# Altium PCB SLIU_648352_008.PcbDoc (part 2 of 4)
Units mm, origin at the board's own origin, x right, y up, seen from the top; angles counter-clockwise.
Board outline 200 x 140 mm, 5 copper layers (Top Layer, gnd, Case, PITANIE, Bottom Layer), stack 2.01 mm thick; 379 components, 284 nets, 1711 pads, 392 vias.
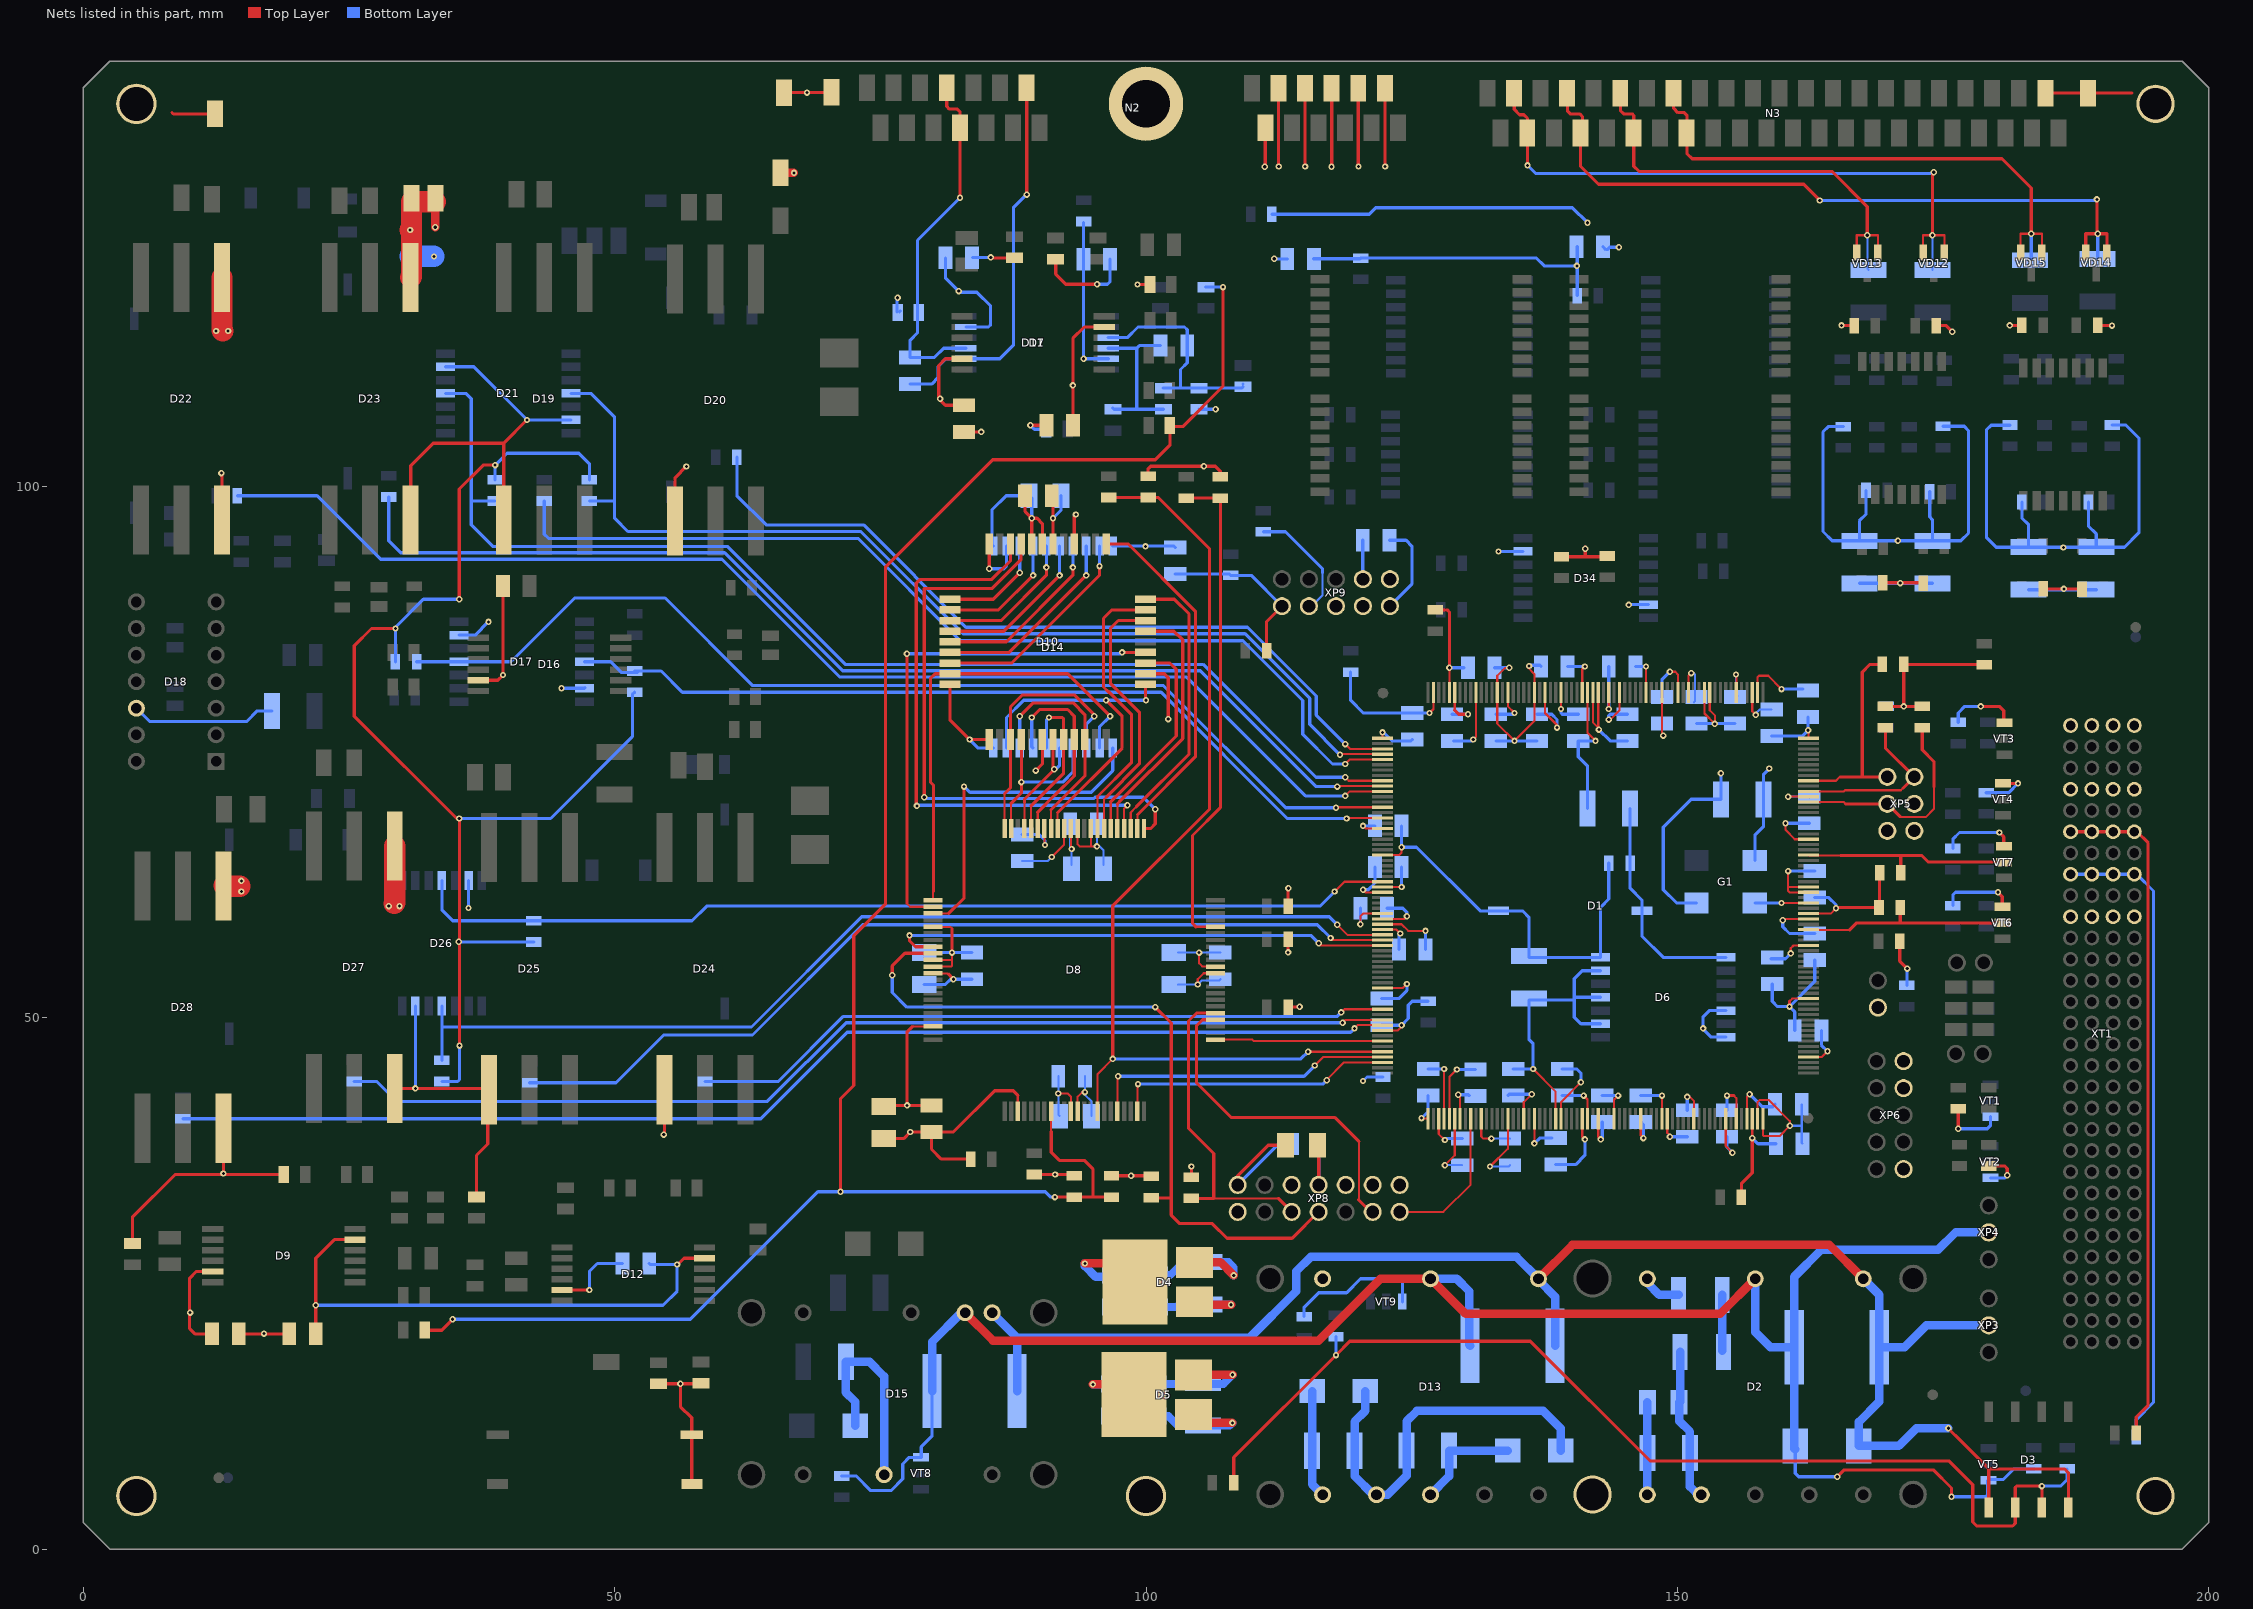
[diagram p5: the nets of this part, all layers, seen from the top]

## Via types
v1: diameter 0.6, hole 0.3, Top Layer to Bottom Layer, 392 vias

## Nets (pads, with @x,y where several pads share a name; then routed paths per layer and width w, separated by ;. In a path a pad name is that pad's centre, name@x,y a point inside that pad or via, vN(x,y) a via of type N, cw(c..) or ccw(c..) an arc to the next point about the centre after c; other vN are vias at no path point)
+1V8: C12.plus C25.2 C26.2 C27.2 C28.2 C29.2 C30.2 C31.2 C32.2 C33.2 C34.2 C35.2 C36.2 C37.2 C38.2 C39.2 C40.2 C56.2 C57.2 C58.2 C59.2 C60.2 C61.2 D1.30 D1.66 D1.67 D1.70 D1.79 D1.92 D1.94 D1.106 D1.113 D1.123 D1.127 D1.163 D1.165 D1.193 D1.195 D1.199 D1.203 D1.211 D1.223 D1.243 D1.251 D1.253 D5.1 R205.2 | length 116.2
  Top Layer w0.2: D1.165@122.25,58.3 123.548,58.3 v1(123.924,57.925) ; D1.163@122.25,59.3 124.299,59.3 v1(124.549,59.55) ; v1@125.975,40.5 D1.193@126.55,40.5 ; v1(126.675,78.675) 127.05,79.05 D1.127@127.05,80.6 ; D1.195@127.55,40.5 127.55,39.05 128.1,38.5 v1(128.125,38.5) ; 129.05,78.925 D1.123@129.05,80.6 ; v1(129.375,42.75) 129.55,42.575 D1.199@129.55,40.5 ; D1.203@131.55,40.5 131.55,38.825 131.75,38.625 v1(132.5,38.625) ; D1.113@134.05,80.6 134.05,79.3 v1(134.675,78.675) ; D1.211@135.55,40.5 135.55,42.05 v1(136.3,42.8) ; D1.106@137.55,80.6 137.55,78.675 138.675,77.55 v1(138.675,77.3) ; v1(141.175,42.675) 141.55,42.3 D1.223@141.55,40.5 ; v1@143.55,79.051 v1(143.549,79.05) 143.549,80.599 D1.94@143.55,80.6 ; v1@143.675,78.05 144.55,78.925 D1.92@144.55,80.6 ; v1(150.925,42.55) 151.175,42.55 151.55,42.175 D1.243@151.55,40.5 ; D1.79@151.05,80.6 151.05,82.175 v1(151.3,82.425) ; 155.3,42.675 155.55,42.425 D1.251@155.55,40.5 ; v1(155.512,82.3) 155.55,82.263 D1.70@155.55,80.6 ; D1.253@156.55,40.5 156.55,42.55 v1(156.8,42.8) ; D1.67@157.05,80.6 157.05,78.825 v1(157.375,78.5) ; D1.66@157.55,80.6 157.55,82.05 157.675,82.175 158.55,82.175 v1(159.8,80.925) ; v1(159.925,59.175) 160.05,59.3 D1.30@162.35,59.3
  Top Layer w0.3: 129.05,78.925 129.424,78.551 v1(130.301,78.551) ; v1(154.675,42.675) 155.3,42.675
  Top Layer w0.5: D5.1@97.9,15.5 D5.1@98.875,14.525
  Top Layer w0.8: v1(95,15.5) D5.1@97.9,15.5
  Bottom Layer w0.2: v1(128.125,38.5) v1@128.25,38.625 ; v1(132.5,38.625) C36.2@134.25,38.625 ; v1(151.3,82.425) 151.55,82.425 151.675,82.3 151.675,79.8 C27.2@151.55,79.675 ; v1(155.512,82.3) 155.512,80.388 155.637,80.263 C26.2@155.55,80.175 ; v1(157.375,78.5) 157.375,78.625 157.75,79 C57.2@158.875,79
  Bottom Layer w0.3: R205.2@119.25,82.525 119.25,79.875 120.45,78.675 v1(126.675,78.675) ; C33.2@122.675,60.3 124.175,60.3 124.549,59.926 v1(124.549,59.55) ; C34.2@123.8,56.425 123.8,57.801 v1(123.924,57.925) ; v1@125.975,40.5 v1(125.925,40.55) 126.55,41.175 C59.2@126.55,42.675 ; v1@128.25,38.625 C60.2@129.75,38.625 ; C32.2@128.8,78.55 v1@130.425,78.55 ; v1(129.375,42.75) 130.35,42.75 C35.2@130.425,42.675 ; v1(130.301,78.551) v1@130.424,78.551 ; C31.2@132.925,78.55 134.55,78.55 v1(134.675,78.675) ; C37.2@134.05,42.675 134.175,42.8 v1(136.3,42.8) ; C30.2@136.8,78.55 138.185,78.55 138.675,78.06 v1(138.675,77.3) ; C38.2@139.175,42.675 v1(141.175,42.675) ; v1@143.55,79.051 C29.2@143.55,83.05 ; v1@143.675,78.05 v1(143.55,78.05) 143.55,78.425 143.675,78.55 C28.2@145.3,78.55 ; C39.2@150.925,41.3 v1(150.925,42.55) ; C40.2@154.675,41.3 v1(154.675,42.675) ; v1(156.8,42.8) 157.975,41.625 158.975,41.625 C61.2@159.2,41.85 ; v1(159.8,80.925) C56.2@161.8,80.925 ; v1(159.925,59.175) 159.925,58.55 160.55,57.925 C25.2@162.925,57.925
  Bottom Layer w0.75: v1(95,15.5) C12.plus@96.875,15.5
+3V3: C9.plus C13.1 C15.2 C16.plus C17.2 C22.2 C23.plus C41.2 C42.2 C43.2 C44.2 C45.2 C46.2 C47.2 C48.2 C49.2 C50.2 C51.2 C52.2 C53.2 C54.2 C55.2 C62.1 C70.2 C72.2 C73.plus C75.1 C76.1 C77.plus C78.1 C79.plus C80.1 C81.plus C82.1 C83.plus C100.2 C104.2 C108.2 C112.2 C120.2 C121.2 D1.4 D1.25 D1.31 D1.53 D1.81 D1.99 D1.103 D1.124 D1.151 D1.158 D1.184 D1.213 D1.225 D1.233 D1.254 D4.1 D6.14 D8.11 D8.33 D8.56 D8.60 D8.78 D8.86 D10.42 D14.20 G1.4 R1.1 R6.1 R15.2 R16.2 R17.2 R18.2 R19.1 R22.1 R25.2 R31.2 R59.2 R69.2 R77.2 R88.2 R89.2 R93.2 R103.2 R104.2 R107.2 R108.2 R123.2 R124.2 R139.2 R140.2 R155.2 R156.2 R170.2 R171.2 R172.2 R173.1 R187.2 R188.2 R191.2 R192.2 R201.2 R202.2 R204.2 VD1.Minus XP6.4 XP8.1 XP8.2 XP9.1 XP9.3 | length 511.7
  Top Layer w0.2: C73.plus@75.313,41.625 C73.plus@75.437,41.75 ; 78.063,49.188 D8.86@79.95,49.188 ; D8.78@79.95,54.188 79.965,54.173 81.328,54.173 81.375,54.125 ; D8.60@90.438,67.8 90.453,67.785 90.453,66.297 v1(90.5,66.25) ; v1(91.75,42.875) 92.625,42.875 92.938,42.563 D8.11@92.938,41.2 ; D8.56@92.938,67.8 92.938,65.937 v1(93,65.875) ; v1(104.875,53.125) 104.875,53.625 105.438,54.188 D8.33@106.55,54.188 ; v1(120.425,62.05) 120.675,61.8 D1.158@122.25,61.8 ; D1.184@122.25,48.8 123.675,48.8 124.05,49.175 v1(124.05,49.3) ; D1.151@122.25,65.3 123.8,65.3 124.05,65.55 v1(124.05,66.05) ; D1.124@128.55,80.6 v1(128.55,82.925) ; v1(136.55,38.175) D1.213@136.55,40.5 ; v1(139.05,79.05) D1.103@139.05,80.6 ; D1.99@141.05,80.6 141.05,82.801 v1(141.299,83.05) ; D1.225@142.55,40.5 142.55,38.8 v1(142.8,38.55) ; D1.233@146.55,40.5 146.55,38.925 v1(146.8,38.675) ; v1(149.3,82.55) 149.8,82.55 150.05,82.3 D1.81@150.05,80.6 ; v1(157.05,38.675) 157.05,38.924 157.05,38.925 D1.254@157.05,40.5 ; v1(160.425,70.8) D1.53@163,70.8 ; v1(160.675,56.05) 160.675,56.55 160.925,56.8 D1.25@162.35,56.8 ; D1.4@162.35,46.3 163.575,46.3 v1(164.125,46.85) ; D1.31@162.35,59.8 164.425,59.8 v1(164.925,60.3)
  Top Layer w0.3: v1(29.375,86.625) 27.125,86.625 25.5,85 25.5,78.375 35.125,68.75 v1(35.375,68.75) ; v1(35.375,89.375) 35.375,99.75 37.625,102 v1(38.75,102) ; v1(35.4,47.375) v1@35.4,68.75 ; C73.plus@75.437,41.75 v1@77.5,41.75 ; 78.063,49.188 77.5,48.625 v1@77.5,41.75 ; C72.2@79.812,41.75 v1(77.525,41.75) v1@77.5,41.75 ; 81.375,54.125 v1(81.875,53.625) ; R31.2@89.5,35.25 v1(91.45,35.25) 93.125,35.25 R59.2@93.25,35.125 ; C22.2@91.125,99.125 91.25,99 D10.42@91.25,94.575 ; D4.1@98.45,25.625 D4.1@98.95,25.125 ; R202.2@100.2,100.95 100.2,101.65 100.45,101.9 v1(105.45,101.9) 106.525,101.9 107,101.425 R201.2@107,100.9 ; XP8.2@108.63,34.27 108.63,35.13 111.5,38 C16.plus@113.125,38 ; v1(113.375,56.15) R69.2@113.375,57.375 ; R173.1@127.225,88.375 128.35,88.375 128.55,88.175 v1(128.55,82.925) ; R187.2@139.1,93.375 141.325,93.375 ; v1@141.325,94.275 v1(141.325,94.125) 141.325,93.375 ; R188.2@143.4,93.45 143.325,93.375 141.325,93.375 ; R172.2@156.025,33.1 156.025,34.375 157.05,35.4 v1(157.05,38.675) ; v1(164.925,60.3) 165,60.375 R19.1@168.975,60.375 169.025,60.425 R22.1@169.025,63.625 ; R16.2@169.55,79.3 R15.2@173.05,79.3 ; R25.2@170.925,57.2 170.925,55.325 v1(171.625,54.625) ; v1(171.3,79.3) R17.2@171.3,83.25 178.825,83.25 R204.2@178.875,83.2
  Top Layer w0.5: D4.1@98.45,25.625 D4.1@98.6,25.775
  Top Layer w0.8: v1(94.25,26.875) 97.5,26.875 D4.1@98.6,25.775
  Bottom Layer w0.2: C75.1@91.75,44.5 v1(91.75,42.875) 91.75,40.875 C77.plus@91.875,40.75 ; C82.1@92.875,68.25 92.875,66 v1(93,65.875) C83.plus@93,64.375 ; C81.plus@103,53.125 v1(104.875,53.125) 105.25,53.5 106.875,53.5 C76.1@107,53.625 ; v1(160.425,70.8) C44.2@162.425,70.8
  Bottom Layer w0.3: R77.2@29.375,83.5 v1(29.375,86.625) ; v1@29.375,86.75 32,89.375 v1(35.375,89.375) ; R104.2@33.75,44 35.225,44 35.4,44.175 v1(35.4,47.375) ; v1(35.325,57.15) 35.35,57.125 R103.2@42.4,57.125 ; v1(35.375,68.75) 43.975,68.75 51.675,76.45 51.675,80.425 R93.2@51.875,80.625 ; R89.2@38.75,100.625 v1(38.75,102) 39.875,103.125 46.625,103.125 47.625,102.125 R88.2@47.625,100.625 ; C79.plus@79.125,53.125 81.125,53.125 81.625,53.625 v1(81.875,53.625) C80.1@83.625,53.625 ; C78.1@88.35,67.25 89.925,67.25 90.5,66.675 v1(90.5,66.25) ; v1(91.25,97) 92,97.75 C23.plus@92,99.125 ; D14.20@96.875,94.375 102.625,94.375 C70.2@102.75,94.25 ; XP8.2@108.63,34.27 112.485,38.125 C17.2@113.75,38.125 ; C121.2@115.75,121.425 120.15,121.425 R192.2@120.2,121.475 136.75,121.475 137.475,120.75 v1(140.55,120.75) ; C62.1@120.4,94.925 120.4,91.285 XP9.3@120.415,91.27 ; v1(120.425,44.05) 120.8,44.425 R171.2@122.3,44.425 ; v1(120.425,62.05) 120.925,62.05 121.55,62.675 C50.2@121.55,64.175 ; C51.2@122.175,49.3 v1@123.8,49.3 ; v1(124.05,49.3) 124.675,49.925 124.675,51.175 125.05,51.55 R170.2@126.55,51.55 ; C49.2@124.05,68.05 v1(124.05,66.05) 125.45,66.05 131.45,60.05 135.425,60.05 136.05,59.425 136.05,55.675 D6.14@142.775,55.675 142.775,60.4 143.55,61.175 R18.2@143.55,64.55 ; v1(128.55,82.925) C48.2@129.925,82.925 ; v1(136.55,38.175) 137.05,38.675 C52.2@138.175,38.675 ; v1(139.05,79.05) 139.05,78.675 139.175,78.55 C47.2@140.675,78.55 ; C46.2@139.675,83.05 v1(141.299,83.05) ; R191.2@140.575,117.95 C120.2@140.575,122.55 ; v1(142.8,38.55) 142.925,38.675 C53.2@142.925,40.175 ; C54.2@146.55,40.175 146.8,39.925 v1(146.8,38.675) ; C45.2@148.55,80.175 148.55,81.8 v1(149.3,82.55) ; G1.4@151.8,60.8 149.925,60.8 148.675,62.05 148.675,67.925 151.3,70.55 C15.2@154.1,70.55 v1(154.1,73) ; v1(157.05,38.675) 157.575,38.15 C55.2@159.275,38.15 ; C42.2@158.8,55.55 160.175,55.55 v1(160.675,56.05) ; C43.2@162.925,61.3 164.25,61.3 164.925,60.625 ; C41.2@163.55,48.8 163.55,47.425 v1(164.125,46.85) ; R124.2@165.625,105.625 164.2,105.625 163.7,105.125 163.7,95.75 164.575,94.875 C104.2@167.125,94.875 ; R123.2@167.75,99.625 167.75,97.375 167.125,96.75 C104.2@167.125,94.875 ; R6.1@169.675,79.3 v1(171.3,79.3) ; R1.1@171.6,53.05 171.6,54.6 v1(171.625,54.625) ; R107.2@173.75,99.5 173.75,97.125 174,96.875 C100.2@174,94.875 ; R108.2@175,105.65 177,105.65 177.4,105.25 177.4,95.6 176.675,94.875 C100.2@174,94.875 ; R156.2@181.3,105.775 181.275,105.75 179.525,105.75 179.075,105.3 179.075,95.2 180,94.275 C112.2@183.05,94.275 ; R155.2@182.425,98.525 182.425,97.025 183.05,96.4 C112.2@183.05,94.275 ; R139.2@188.675,98.525 188.675,96.275 189.425,95.525 C108.2@189.425,94.275 ; R140.2@190.925,105.775 192.2,105.775 193.425,104.55 193.425,95.625 192.075,94.275 C108.2@189.425,94.275 ; C104.2@167.125,94.875 v1(170.75,94.875) C100.2@174,94.875 ; C112.2@183.05,94.275 C108.2@189.425,94.275
  Bottom Layer w0.8: v1(94.25,26.875) 94.25,26.625 95.25,25.625 C9.plus@97,25.625
  other v1: 186.325,94.25 99.95,94.35
+5V: C3.plus C4.2 C7.plus C8.2 C10.plus C11.2 D2.1 D4.2 D5.2 R207.2 | length 65.7
  Top Layer w0.5: D5.2@104.475,16.375 104.85,16 D5.2@105.25,16.4 ; D4.2@104.55,26.975 105.288,27.712 D4.2@106,27
  Top Layer w0.8: D5.2@105.25,16.4 v1(108.15,16.4) ; D4.2@106,27 107,27 v1(108.25,25.75)
  Bottom Layer w0.3: R207.2@111.85,125.6 121,125.6 121.625,126.225 140.125,126.225 v1(141.55,124.8)
  Bottom Layer w0.75: C10.plus@100.4,15.525 107.275,15.525 v1(108.15,16.4) ; C7.plus@100.525,25.775 102.275,25.775 103.5,27 107.75,27 108.25,26.5 v1(108.25,25.75) v1@108.225,25.775
  Bottom Layer w0.8: D2.1@147.175,4.8 C4.2@147.175,9.05 C3.plus@147.175,13.8
+5V1: R13.2 XT1.23 XT1.53 XT1.83 XT1.113 | length 60.5
  Bottom Layer w0.3: XT1.23@187,63.5 XT1.53@189,63.5 XT1.83@191,63.5 XT1.113@193,63.5 193.225,63.5 194.8,61.925 194.8,13.8 193.175,12.175 R13.2@193.175,10.55
+5V2: R14.2 XT1.25 XT1.55 XT1.85 XT1.115 | length 63.7
  Top Layer w0.3: XT1.25@187,67.5 XT1.115@193,67.5 193.25,67.5 194.3,66.45 194.3,13.55 193.175,12.425 R14.2@193.175,10.925
+15V: C74.1 C84.2 C85.plus C89.2 C90.2 C122.2 D7.14 D9.14 D11.14 D12.14 D13.1 R206.2 | length 91
  Top Layer w0.3: C90.2@21.875,20.25 v1(21.875,22.95) 21.875,27.375 23.625,29.125 D9.14@25.575,29.125 ; v1(55.875,26.775) 55.925,26.775 56.525,27.375 D12.14@58.45,27.375 ; C122.2@93.125,105.75 v1(93.125,109.5) 93.125,113.925 94.2,115 D11.14@96.075,115
  Bottom Layer w0.3: v1(21.875,22.95) 54.55,22.95 55.875,24.275 v1(55.875,26.775) 53.35,26.775 C74.1@53.25,26.875 ; R206.2@94.125,124.8 C89.2@94.125,121.375 v1(94.125,112) D7.14@96.45,112
  Bottom Layer w0.8: C85.plus@115.625,14.875 115.625,6.105 D13.1@116.615,5.115
+28V: C1.Plus C2.2 C65.2 C86.2 D2.6 D3.5 D3.8 D13.6 D15.1 XP3.2 | length 160.1
  Top Layer w0.3: v1(175.5,11.375) 175.5,11.35 176.65,10.2 179.3,7.55 ; D3.5@179.3,3.925 179.3,7.55 ; D3.8@186.8,3.925 186.8,7.175 186.425,7.55 179.3,7.55
  Top Layer w0.8: D13.6@136.935,25.435 140.125,28.625 164.305,28.625 D2.6@167.495,25.435
  Bottom Layer w0.8: D15.1@85.515,22.245 87.875,19.885 ; C65.2@87.875,14.875 87.875,19.885 ; C86.2@138.5,19.125 138.5,23.75 136.935,25.315 D13.6@136.935,25.435 134.87,27.5 115.5,27.5 114.125,26.125 114.125,24.25 109.76,19.885 87.875,19.885 ; C1.Plus@167.085,9.71 C1.Plus@167.085,9.835 ; D2.6@167.495,25.435 169,23.93 C2.2@169,19 ; v1(175.5,11.375) 172.5,11.375 170.835,9.71 167.21,9.71 C1.Plus@167.085,9.835 ; XP3.2@179.3,21.05 173.425,21.05 171.375,19 C2.2@169,19 ; C1.Plus@167.085,9.835 167.085,11.96 169,13.875 C2.2@169,19
+F1: D1.133 R84.1 | length 93
  Top Layer w0.2: v1(118.75,73.875) 119.175,74.3 D1.133@122.25,74.3
  Bottom Layer w0.3: R84.1@43.375,98.625 43.375,95.5 43.775,95.1 72.9,95.1 82.525,85.475 109.125,85.475 114.75,79.85 114.75,76.676 117.551,73.875 v1(118.75,73.875)
+F2: D1.131 R85.1 | length 75.3
  Top Layer w0.2: v1(118.75,75.75) 119.2,75.3 D1.131@122.25,75.3
  Bottom Layer w0.3: R85.1@61.5,102.75 61.5,99.125 64.25,96.375 73.428,96.375 83.053,86.75 109.547,86.75 116.025,80.272 116.025,78.475 v1(118.75,75.75)
+F3: D1.180 R99.1 | length 66.6
  Top Layer w0.2: v1(118.375,50.5) 118.675,50.8 D1.180@122.25,50.8
  Bottom Layer w0.3: R99.1@58.5,44 65.401,44 71.529,50.128 118.003,50.128 v1(118.375,50.5)
+F4: D1.167 R100.1 | length 87
  Top Layer w0.2: v1(117.375,57.5) 117.575,57.3 D1.167@122.25,57.3
  Bottom Layer w0.3: R100.1@42,43.875 50.125,43.875 54.625,48.375 62.974,48.375 73.349,58.75 116.125,58.75 v1(117.375,57.5)
-15V: C20.1 C63.1 C67.1 C87.1 C88.minus D7.6 D9.6 D11.6 D13.3 R121.1 R137.1 R153.1 R169.1 | length 45
  Top Layer w0.3: C63.1@12.125,20.25 10.5,20.25 10,20.75 10,25.5 10.625,26.125 D9.6@12.175,26.125 ; D11.6@82.675,112 81.125,112 80.5,111.375 80.5,108.25 81.125,107.625 C67.1@82.875,107.625 ; v1(165.45,115.15) 165.475,115.125 R137.1@166.625,115.125 ; R121.1@174.375,115.125 175.3,115.125 v1(175.875,114.55) ; v1@181.25,115.15 R169.1@182.425,115.15 ; R153.1@189.55,115.15 190.875,115.15 v1(190.9,115.125)
  Bottom Layer w0.3: C20.1@81.125,121.5 81.125,119.625 v1(82.375,118.375) 82.475,118.275 84.075,118.275 85.375,116.975 85.375,115.2 85.175,115 D7.6@83.05,115
  Bottom Layer w0.8: D13.3@126.775,5.115 128.525,6.865 C87.1@128.525,9.275 C88.minus@134.025,9.275
  other v1: 10.05,22.25 80.625,108.25 181.275,115.15
-28V: C1.Minus C2.1 C65.1 C86.1 D2.7 D13.7 D15.2 R11.1 R41.1 R74.2 VT5.E VT8.E VT9.E XP4.2 | length 205.8
  Top Layer w0.3: v1(165.05,6.8) 165.705,7.455 174.095,7.455 175.8,5.75 v1(175.8,4.925)
  Top Layer w0.8: D15.2@82.975,22.245 85.595,19.625 116.25,19.625 122.06,25.435 D13.7@126.775,25.435 130.085,22.125 154.025,22.125 D2.7@157.335,25.435 D2.7@157.335,25.335
  Bottom Layer w0.3: R41.1@71.355,6.88 72.73,6.88 74.105,5.505 76.006,5.505 77.105,6.604 77.105,8.005 77.725,8.625 VT8.E@78.845,8.625 78.845,9.62 79.875,10.65 C65.1@79.875,14.875 ; R74.2@114.875,21.875 114.875,22.75 116.25,24.125 118.875,24.125 120.185,25.435 124.125,25.435 ; VT9.E@124.125,23.28 124.125,25.435 ; D13.7@126.775,25.435 124.125,25.435 ; C1.Minus@161.085,9.375 161.085,7.14 161.425,6.8 v1(165.05,6.8) ; v1(175.8,4.925) 179.05,4.925 179.175,5.05 179.175,6.395 179.33,6.55 180.675,6.55 181.675,7.55 R11.1@183.55,7.55
  Bottom Layer w0.8: C65.1@79.875,14.875 79.875,19.5 82.62,22.245 D15.2@82.975,22.245 ; D13.7@126.775,25.435 129.24,25.435 130.4,24.275 130.4,19.225 C86.1@130.5,19.125 ; D2.7@157.335,25.435 157.335,20.415 158.75,19 C2.1@161,19 ; C1.Minus@161.085,9.375 161,9.46 C2.1@161,19 ; XP4.2@179.3,29.8 176.175,29.8 174.55,28.175 163.55,28.175 161,25.625 C2.1@161,19
-F1: D1.139 R90.1 | length 119.6
  Top Layer w0.2: v1(118.75,70.875) 119.175,71.3 D1.139@122.25,71.3
  Bottom Layer w0.3: R90.1@14.5,99.125 22,99.125 27.975,93.15 60.103,93.15 71.203,82.05 103.825,82.05 115,70.875 v1(118.75,70.875)
-F2: D1.138 R91.1 | length 107.2
  Top Layer w0.2: v1(118,71.75) 118.05,71.8 D1.138@122.25,71.8
  Bottom Layer w0.3: R91.1@28.75,99 28.75,94.875 29.875,93.75 60.351,93.75 71.451,82.65 105.124,82.65 116.024,71.75 v1(118,71.75)
-F3: D1.182 R105.1 | length 100.7
  Top Layer w0.2: v1(118.5,49.528) 118.772,49.8 D1.182@122.25,49.8
  Bottom Layer w0.3: R105.1@25.5,44 27.625,44 29.5,42.125 64.375,42.125 71.778,49.528 v1(118.5,49.528)
-F4: D1.183 R106.1 | length 116.5
  Top Layer w0.2: v1(119.625,49) 119.925,49.3 D1.183@122.25,49.3
  Bottom Layer w0.3: R106.1@9.375,40.5 63.75,40.5 71.875,48.625 119.25,48.625 v1(119.625,49)
\RD_1: D8.68 D10.31 | length 48.6
  Top Layer w0.2: 77.5,60.75 77.813,60.437 D8.68@79.95,60.437
  Top Layer w0.3: 77.5,60.75 v1(77.5,84.25) ; v1(97.75,84.375) D10.31@99.95,84.375
  Bottom Layer w0.3: v1(77.5,84.25) 97.625,84.25 v1(97.75,84.375)
\RESET_1: D1.201 XP8.13 | length 13.9
  Top Layer w0.2: XP8.13@123.87,31.73 127.98,31.73 130.55,34.3 D1.201@130.55,40.5
\RSTCPU: D1.188 D8.15 R47.1 R202.1 | length 94.4
  Top Layer w0.2: D8.15@95.437,41.2 95.437,44.687 v1(96.875,46.125) ; v1(115.25,46.8) D1.188@122.25,46.8
  Top Layer w0.3: R47.1@96.5,98.95 R202.1@100.2,98.95 101.15,98.95 105.975,94.125 105.975,69.625 96.875,60.525 v1(96.875,46.125)
  Bottom Layer w0.3: v1(96.875,46.125) 114.575,46.125 v1(115.25,46.8)
\SS: D1.189 D8.18 | length 28.9
  Top Layer w0.2: D8.18@97.312,41.2 97.312,44.437 v1(97.375,44.5) ; v1(115.875,45.5) 116.675,46.3 D1.189@122.25,46.3
  Bottom Layer w0.3: v1(97.375,44.5) 114.875,44.5 v1(115.875,45.5)
\WE_1: D8.40 R201.1 R203.1 | length 46.6
  Top Layer w0.2: 104.688,58.562 D8.40@106.55,58.562
  Top Layer w0.3: R203.1@103.8,98.9 R201.1@107,98.9 107,69.775 104.375,67.15 104.375,58.875 104.688,58.562
A0_1: D10.13 D14.19 | length 20.2
  Top Layer w0.3: D10.13@81.55,83.375 87.375,83.375 95.625,91.625 v1(95.625,92.5)
  Bottom Layer w0.3: v1(95.625,92.5) D14.19@95.625,94.375
A1_1: D10.12 D14.18 | length 18.6
  Top Layer w0.3: D10.12@81.55,84.375 87.125,84.375 v1(94.375,91.625)
  Bottom Layer w0.3: v1(94.375,91.625) D14.18@94.375,94.375
A2_1: D10.11 D14.17 | length 16.9
  Top Layer w0.3: D10.11@81.55,85.375 86.875,85.375 93.125,91.625 v1(93.125,92.375)
  Bottom Layer w0.3: v1(93.125,92.375) D14.17@93.125,94.375
A3_1: D10.10 D14.16 | length 15.2
  Top Layer w0.3: D10.10@81.55,86.375 86.625,86.375 v1(91.875,91.625)
  Bottom Layer w0.3: v1(91.875,91.625) D14.16@91.875,94.375
A4_1: D10.9 D14.15 | length 13.6
  Top Layer w0.3: D10.9@81.55,87.375 86.375,87.375 90.625,91.625 v1(90.625,92.375)
  Bottom Layer w0.3: v1(90.625,92.375) D14.15@90.625,94.375
A5_1: D10.8 D14.14 | length 11.9
  Top Layer w0.3: D10.8@81.55,88.375 86.125,88.375 v1(89.375,91.625)
  Bottom Layer w0.3: v1(89.375,91.625) D14.14@89.375,94.375
A6_1: D10.7 D14.13 | length 10.1
  Top Layer w0.3: D10.7@81.55,89.375 85.625,89.375 v1(88.125,91.875)
  Bottom Layer w0.3: v1(88.125,91.875) D14.13@88.125,94.375
A7_1: D10.6 D14.12 | length 5.9
  Top Layer w0.3: v1(85.25,92.25) D10.6@85.25,94.575
  Bottom Layer w0.3: v1(85.25,92.25) 86.625,92.25 86.875,92.5 D14.12@86.875,94.375
AD0_1: D8.67 D10.14 D14.2 | length 43.2
  Top Layer w0.2: D8.67@79.95,61.062 79.95,61.825 80,61.875